# Altium PCB PIC18F_SUBSYSTEM_V1I1_PCB.PcbDoc (continued)
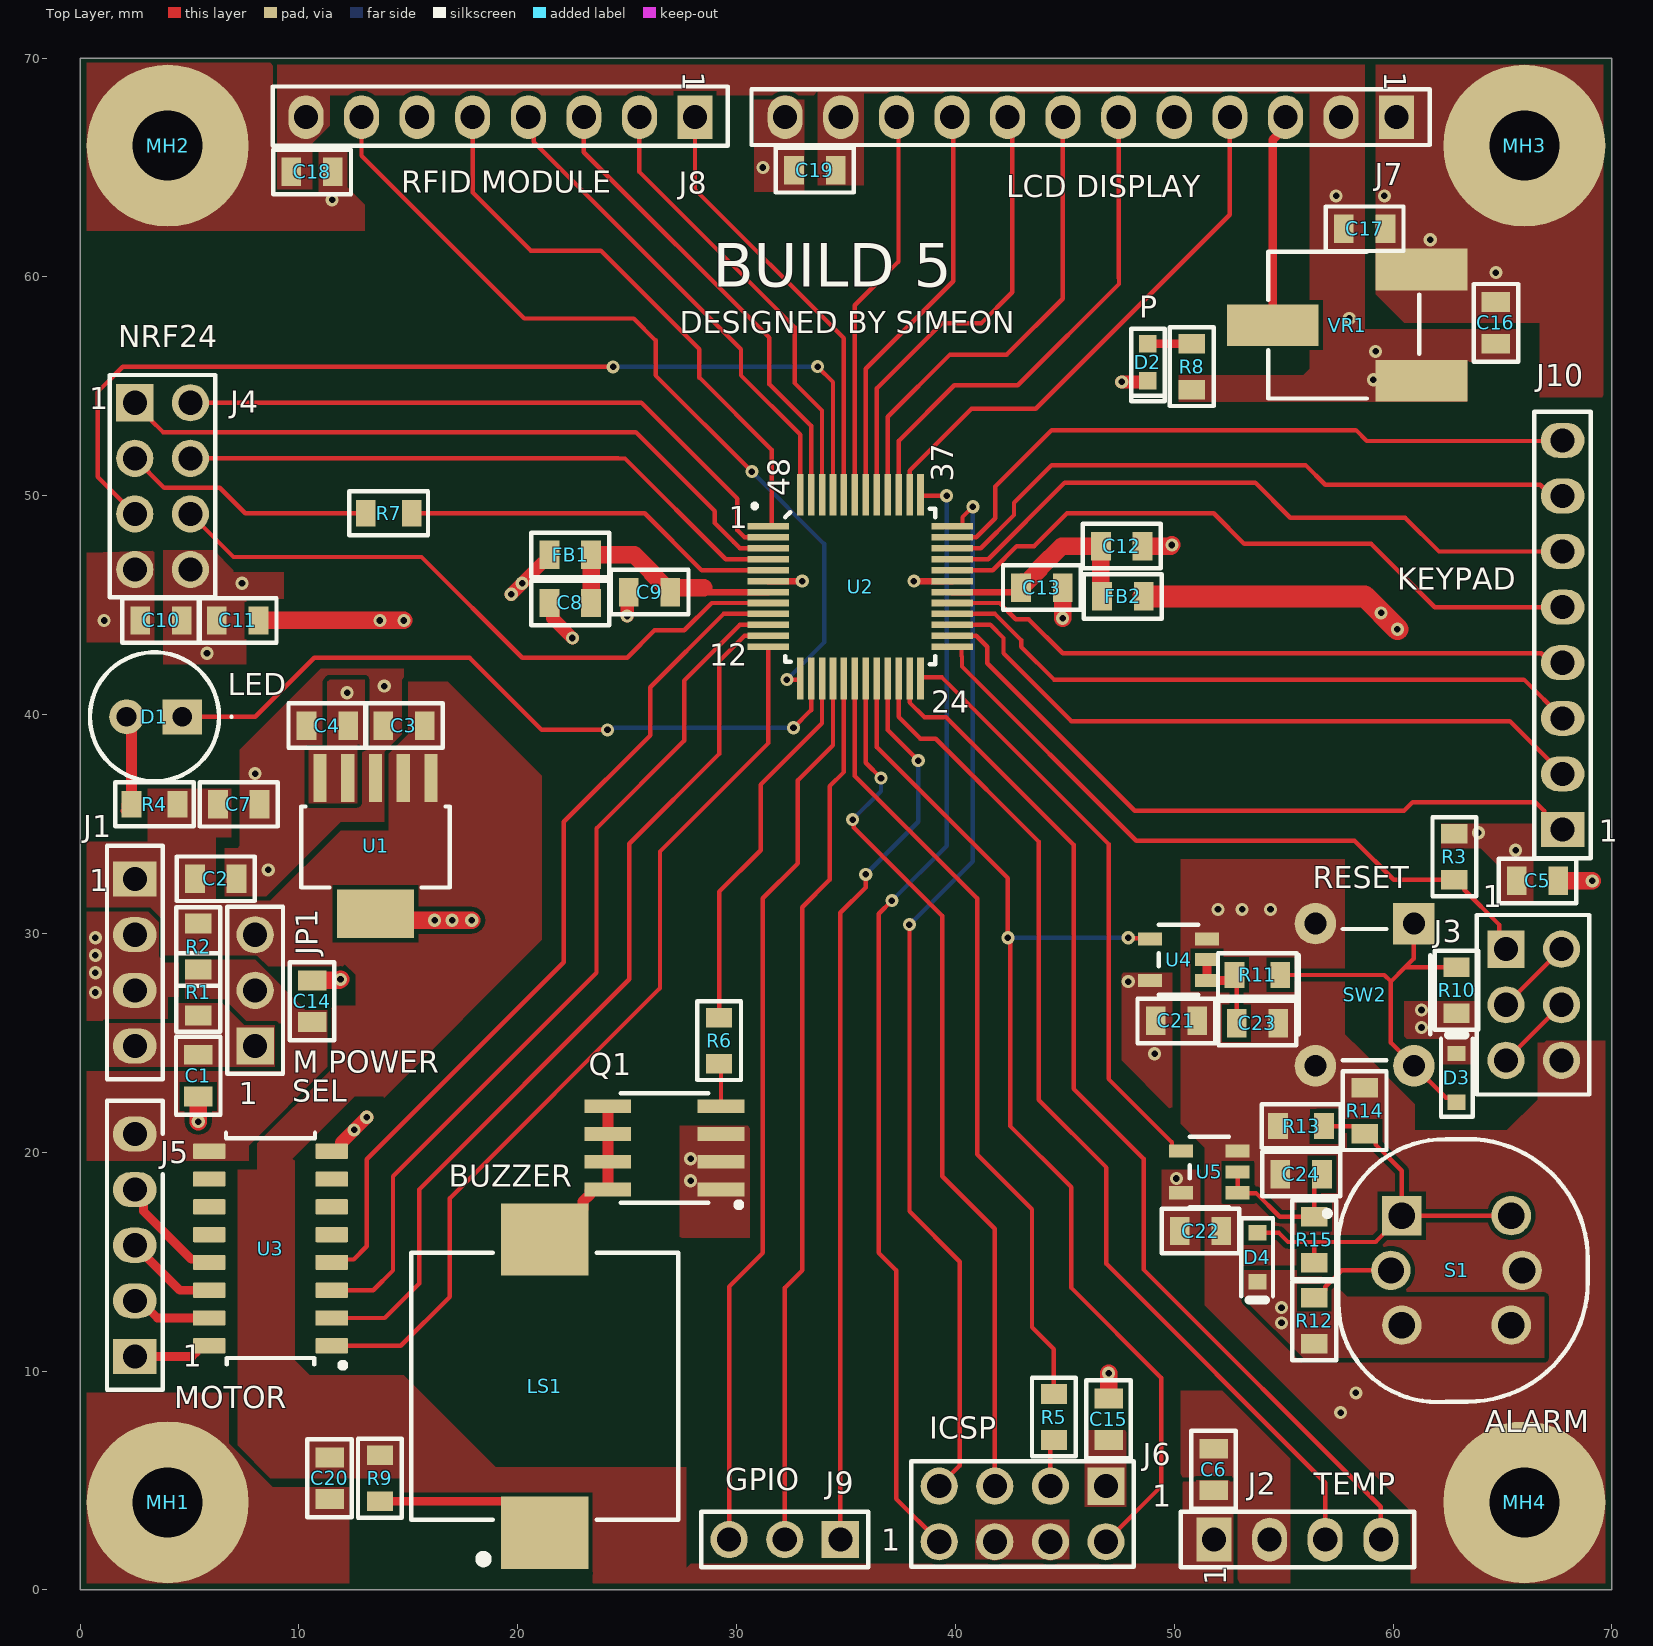
[diagram p0: Top Layer view]
## Part data (continued)
C8 C11 C12: library part C2012X5R1V106M125AC, "Ceramic Capacitor, Multilayer, Ceramic, 35V, 20% +Tol, 20% -Tol, X5R, 15% TC, 10uF, Surface Mount, 0805", Capacitor Type=Ceramic, Case/Package=0805, Manufacturer=TDK, Max Operating Temperature=85°C, Min Operating Temperature=-55°C, Package Shape=Rectangular, Package Style=SMTMeter, Rated DC Voltage (URdc)=35V, Supplier Part Number=445-14420-1-ND, Supplier Part Number 1=810-C2012X5R1V106M1C, Temperature Characteristics Code=X5R, Tolerance  (fill in as +-)=20%, Category="Ceramic Capacitors", ComponentLink1Description=https://datasheet.ciiva.com:443/pdfs/VipMasterIC/IC/TDKC/TDKC-S-A0008796792/TDKC-S-A0008796792-1.pdf?src-supplier=IHS+Markit, ComponentLink1URL=https://datasheet.ciiva.com:443/pdfs/VipMasterIC/IC/TDKC/TDKC-S-A0008796792/TDKC-S-A0008796792-1.pdf?src-supplier=IHS+Markit, ComponentLink2Description=https://datasheet.ciiva.com/14887/tdkmlcccaprange-14887484.pdf?src-supplier=Digikey, ComponentLink2URL=https://datasheet.ciiva.com/14887/tdkmlcccaprange-14887484.pdf?src-supplier=Digikey, ComponentLink3Description=https://datasheet.ciiva.com/14887/tdkmlcccaprange-14887483.pdf?src-supplier=Digikey, ComponentLink3URL=https://datasheet.ciiva.com/14887/tdkmlcccaprange-14887483.pdf?src-supplier=Digikey, ComponentLink4Description=https://datasheet.ciiva.com/14887/tdkmlcccaprange-14887485.pdf?src-supplier=Digikey, ComponentLink4URL=https://datasheet.ciiva.com/14887/tdkmlcccaprange-14887485.pdf?src-supplier=Digikey, Dielectric Material=Ceramic, Height=1.25mm, JESD-609 Code=e3, Length=2mm, Manufacturer Part Number=C2012X5R1V106M125AC, Mounting Technology="Surface Mount", Multilayer=Yes, Packaging="Tape and Reel", Pins=2, Pricing="1=0.71, 10=0.427, 50=0.3158, 100=0.2811, 500=0.22198, 1000=0.20353 (USD)", Reach SVHC Compliant=Yes, RoHS=Yes, RoHS Compliant=Yes, Stock=20704, Supplier=Digikey, Supplier 1=Mouser, Terminal Finish=Nickel, Termination=Wraparound, Tolerance (fill in as +-)=20%, Width=1.25mm
D1: "Single Color LED, White, Untinted Nondiffused, T-1 3/4, 5mm", Color=White, Forward Current=30mA, Forward Voltage=3.6V, Manufacturer="Vishay Semiconductors", Max Operating Temperature=100°C, Min Operating Temperature=-40°C, Reverse Voltage-Max=5V, Supplier Part Number=78-VLHW5100, Category=LEDs, Channels=1, Color@wavelength=White, ComponentLink1Description=https://datasheet.ciiva.com:443/pdfs/VipMasterIC/IC/VISH/VISH-S-A0008255939/VISH-S-A0008255939-1.pdf?src-supplier=IHS+Markit, ComponentLink1URL=https://datasheet.ciiva.com:443/pdfs/VipMasterIC/IC/VISH/VISH-S-A0008255939/VISH-S-A0008255939-1.pdf?src-supplier=IHS+Markit, ComponentLink2Description=http://www.mouser.com/ds/2/427/vlhw5100-531364.pdf?src-supplier=Mouser, ComponentLink2URL=http://www.mouser.com/ds/2/427/vlhw5100-531364.pdf?src-supplier=Mouser, ComponentLink3Description=http://components.arrow.com/part/dataview/47619092S462016N5680?src-supplier=Arrow+Electronics, ComponentLink3URL=http://components.arrow.com/part/dataview/47619092S462016N5680?src-supplier=Arrow+Electronics, ComponentLink4Description=https://datasheet.octopart.com/VLHW5100-Vishay-datasheet-33014518.pdf?src-supplier=Newark, ComponentLink4URL=https://datasheet.octopart.com/VLHW5100-Vishay-datasheet-33014518.pdf?src-supplier=Newark, ComponentLink5Description=https://datasheet.octopart.com/VLHW5100-Vishay-datasheet-13709148.pdf?src-supplier=Future+Electronics, ComponentLink5URL=https://datasheet.octopart.com/VLHW5100-Vishay-datasheet-13709148.pdf?src-supplier=Future+Electronics, ComponentLink6Description=https://www.vishay.com/docs/81159/vlhw5100.pdf?src-supplier=Digikey, ComponentLink6URL=https://www.vishay.com/docs/81159/vlhw5100.pdf?src-supplier=Digikey, ComponentLink7Description=http://www.vishay.com/docs/81159/vlhw5100.pdf?src-supplier=Avnet, ComponentLink7URL=http://www.vishay.com/docs/81159/vlhw5100.pdf?src-supplier=Avnet, ComponentLink8Description=https://datasheet.octopart.com/VLHW5100-Vishay-datasheet-101602381.pdf?src-supplier=Farnell, ComponentLink8URL=https://datasheet.octopart.com/VLHW5100-Vishay-datasheet-101602381.pdf?src-supplier=Farnell, ComponentLink9Description=https://datasheet.octopart.com/VLHW5100-Vishay-datasheet-159770063.pdf?src-supplier=TME, ComponentLink9URL=https://datasheet.octopart.com/VLHW5100-Vishay-datasheet-159770063.pdf?src-supplier=TME, Lens Style=Untinted,NONDIFFUSED, Luminous Intensity-Nom=8400mcd, Manufacturer Part Number=VLHW5100, Mounting Technology=Radial, Optoelectronic Device Type="SINGLE COLOR LED", Overall Height=8.6mm, Packaging=Bulk, Pins=2, Pricing="1=0.6, 10=0.363, 50=0.363, 100=0.21, 1000=0.153, 10000=0.127 (USD)", Reach SVHC Compliant=Yes, RoHS=Yes, RoHS Compliant=Yes, Shape=Round, Size=5mm, Stock=22314, Supplier=Mouser, Supplier 1=Mouser, Supplier Part Number 1=78-VLHW5100, T-code="T-1 3/4", Terminal Pitch=2.54mm, Viewing Angle=20°
D2: library part SML-D12P8WT86, "Single Color LED, Pure Green, Diffused Milky White, 1.2mm", Forward Current=20mA, Manufacturer=Rohm, Max Operating Temperature=85°C, Min Operating Temperature=-40°C, Reverse Voltage-Max=5V, Supplier Part Number=846-SML-D12P8WT86CT-ND, Category=LEDs, Channels=1, Color=Green, Color@wavelength=Green, ComponentLink1Description=https://datasheet.ciiva.com:443/pdfs/VipMasterIC/IC/ROHM/ROHMS10041/ROHMS10041-1.pdf?src-supplier=IHS+Markit, ComponentLink1URL=https://datasheet.ciiva.com:443/pdfs/VipMasterIC/IC/ROHM/ROHMS10041/ROHMS10041-1.pdf?src-supplier=IHS+Markit, ComponentLink2Description=https://datasheet.ciiva.com/2110/sml-d1-2110417.pdf?src-supplier=Digikey, ComponentLink2URL=https://datasheet.ciiva.com/2110/sml-d1-2110417.pdf?src-supplier=Digikey, ComponentLink3Description=https://datasheet.ciiva.com/16488/rohm20sml-d12p8wt86-16488100.pdf?src-supplier=Future+Electronics, ComponentLink3URL=https://datasheet.ciiva.com/16488/rohm20sml-d12p8wt86-16488100.pdf?src-supplier=Future+Electronics, ComponentLink4Description=https://datasheet.ciiva.com/2110/sml-d1-2110419.pdf?src-supplier=Digikey, ComponentLink4URL=https://datasheet.ciiva.com/2110/sml-d1-2110419.pdf?src-supplier=Digikey, ComponentLink5Description=https://datasheet.ciiva.com/2110/sml-d1-2110418.pdf?src-supplier=Digikey, ComponentLink5URL=https://datasheet.ciiva.com/2110/sml-d1-2110418.pdf?src-supplier=Digikey, ComponentLink6Description=https://datasheet.ciiva.com/3161/sml-d1-3161420.pdf?src-supplier=Avnet, ComponentLink6URL=https://datasheet.ciiva.com/3161/sml-d1-3161420.pdf?src-supplier=Avnet, JESD-609 Code=e4, Lens Style=Diffused, Luminous Intensity-Nom=6.3mcd, Manufacturer Part Number=SML-D12P8WT86, Mounting Technology="Surface Mount", Optoelectronic Device Type="SINGLE COLOR LED", Overall Height=0.55mm, Packaging="Tape and Reel", Pins=2, Pricing="1=0.21, 10=0.115, 100=0.0686, 500=0.05056, 1000=0.04505 (USD)", Reach SVHC Compliant=Yes, RoHS=Yes, RoHS Compliant=Yes, Shape=Rectangular, Size=1.2mm, Stock=50341, Supplier=Digikey, Supplier 1=Digikey, Supplier Part Number 1=846-SML-D12P8WT86CT-ND, Terminal Finish=Gold, Terminal Pitch=1.65mm
D3 D4: "Rectifier Diode, 1 Phase, 1 Element, 0.2A, 30V V(RRM), Silicon", Forward Voltage=240mV, Manufacturer="ON Semiconductor / Fairchild", Max Operating Temperature=150°C, Max Output current=200mA, Max Power Dissipation=200mW, Min Operating Temperature=-55°C, Non-rep Pk Forward Current-Max=600mA, Package Body Material=Plastic, Package Shape=Rectangular, Package Style="SMALL OUTLINEMeter", Rep Pk Reverse Voltage-Max=30V, Supplier Part Number=BAT54HT1GOSCT-ND, Category="Schottky Diodes", ComponentLink1Description=https://datasheet.ciiva.com:443/pdfs/VipMasterIC/IC/FAIR/FAIRS45107/FAIRS45107-1.pdf?src-supplier=IHS+Markit, ComponentLink1URL=https://datasheet.ciiva.com:443/pdfs/VipMasterIC/IC/FAIR/FAIRS45107/FAIRS45107-1.pdf?src-supplier=IHS+Markit, ComponentLink2Description=https://datasheet.ciiva.com/4714/bat54ht1-d-72881-4714706.pdf?src-supplier=Mouser, ComponentLink2URL=https://datasheet.ciiva.com/4714/bat54ht1-d-72881-4714706.pdf?src-supplier=Mouser, ComponentLink3Description=https://datasheet.ciiva.com/4452/bat54ht1g-104602-4452889.pdf?src-supplier=Mouser, ComponentLink3URL=https://datasheet.ciiva.com/4452/bat54ht1g-104602-4452889.pdf?src-supplier=Mouser, ComponentLink4Description=https://datasheet.ciiva.com/30479/0900766b811a63a9-30479442.pdf?src-supplier=Rs, ComponentLink4URL=https://datasheet.ciiva.com/30479/0900766b811a63a9-30479442.pdf?src-supplier=Rs, ComponentLink5Description=https://datasheet.ciiva.com/34301/806549-34301562.pdf?src-supplier=Jameco, ComponentLink5URL=https://datasheet.ciiva.com/34301/806549-34301562.pdf?src-supplier=Jameco, ComponentLink6Description=https://datasheet.ciiva.com/1240/1747983-1240762.pdf?src-supplier=Newark, ComponentLink6URL=https://datasheet.ciiva.com/1240/1747983-1240762.pdf?src-supplier=Newark, ComponentLink7Description=https://datasheet.ciiva.com/915/bat54ht1-d-915445.pdf?src-supplier=Digikey, ComponentLink7URL=https://datasheet.ciiva.com/915/bat54ht1-d-915445.pdf?src-supplier=Digikey, ComponentLink8Description=https://datasheet.ciiva.com/915/bat54ht1-d-915444.pdf?src-supplier=Digikey, ComponentLink8URL=https://datasheet.ciiva.com/915/bat54ht1-d-915444.pdf?src-supplier=Digikey, ComponentLink9Description=https://datasheet.ciiva.com/910/bat54ht1g-910499.pdf?src-supplier=Digikey, ComponentLink9URL=https://datasheet.ciiva.com/910/bat54ht1g-910499.pdf?src-supplier=Digikey, ComponentLink10Description=https://datasheet.ciiva.com/910/bat54ht1g-910498.pdf?src-supplier=Digikey, ComponentLink10URL=https://datasheet.ciiva.com/910/bat54ht1g-910498.pdf?src-supplier=Digikey, ComponentLink11Description=https://datasheet.ciiva.com/8294/bat54ht1-d-8294645.pdf?src-supplier=Avnet, ComponentLink11URL=https://datasheet.ciiva.com/8294/bat54ht1-d-8294645.pdf?src-supplier=Avnet, ComponentLink12Description=https://datasheet.ciiva.com/910/bat54ht1g-910497.pdf?src-supplier=Digikey, ComponentLink12URL=https://datasheet.ciiva.com/910/bat54ht1g-910497.pdf?src-supplier=Digikey, ComponentLink13Description=https://datasheet.ciiva.com/8303/bat54ht1g-8303645.pdf?src-supplier=Avnet, ComponentLink13URL=https://datasheet.ciiva.com/8303/bat54ht1g-8303645.pdf?src-supplier=Avnet, ComponentLink14Description=https://datasheet.ciiva.com/915/bat54ht1-d-915443.pdf?src-supplier=Digikey, ComponentLink14URL=https://datasheet.ciiva.com/915/bat54ht1-d-915443.pdf?src-supplier=Digikey, ComponentLink15Description=https://datasheet.ciiva.com/46429/1727620-46429206.pdf?src-supplier=Element14, ComponentLink15URL=https://datasheet.ciiva.com/46429/1727620-46429206.pdf?src-supplier=Element14, ComponentLink16Description=https://datasheet.ciiva.com/1180/bat54ht1-d-1180252.pdf?src-supplier=Element14, ComponentLink16URL=https://datasheet.ciiva.com/1180/bat54ht1-d-1180252.pdf?src-supplier=Element14, ComponentLink17Description=https://datasheet.ciiva.com/1180/bat54ht1-d-1180251.pdf?src-supplier=Element14, ComponentLink17URL=https://datasheet.ciiva.com/1180/bat54ht1-d-1180251.pdf?src-supplier=Element14, ComponentLink18Description=https://datasheet.ciiva.com/17020/bat54ht1g-17020445.pdf?src-supplier=Future+Electronics, ComponentLink18URL=https://datasheet.ciiva.com/17020/bat54ht1g-17020445.pdf?src-supplier=Future+Electronics, ComponentLink19Description=https://datasheet.ciiva.com/48686/001262925-da-01-en-diode-schottky-30v-bat54ht1g-sod-323-fsc-48686266.pdf?src-supplier=Conrad, ComponentLink19URL=https://datasheet.ciiva.com/48686/001262925-da-01-en-diode-schottky-30v-bat54ht1g-sod-323-fsc-48686266.pdf?src-supplier=Conrad, Diode Element Material=SILICON, Diode Type=RECTIFIER, JESD-30 Code=R-PDSO-G2, JESD-609 Code=e3, Manufacturer Part Number=BAT54HT1G, Moisture Sensitivity Level=1, Number of Elements=1, Pins=2, Pricing="1=0.12, 10=0.085, 100=0.0569, 500=0.04318, 1000=0.03851 (USD)", Qualification Status="Not Qualified", Reach SVHC Compliant=Yes, Reverse Recovery Time-Max=0.005us, RoHS=Yes, RoHS Compliant=Yes, Stock=217359, Supplier=Digikey, Supplier 1=Digikey, Supplier Part Number 1=BAT54HT1GOSCT-ND, Surface Mount=Yes, Terminal Finish=Tin, Terminal Form="Gull Wing", Terminal Position=DUAL
FB1 FB2: "Ferrite Chip, 1 Function(s), 2A", Case Code=0805, Clock Frequency=100MHz, Current Rating=2A, DC Resistance-Max=100mR, Manufacturer=TDK, Max Operating Temperature=125°C, Min Operating Temperature=-55°C, Supplier Part Number=445-MPZ2012S601AT000CT-ND, Supplier Part Number 1=810-MPZ2012S601AT000, Category="Ferrite Beads and Chips", Channels=1, ComponentLink1Description=https://datasheet.ciiva.com:443/pdfs/VipMasterIC/IC/TDKC/TDKC-S-A0008032886/TDKC-S-A0008032886-1.pdf?src-supplier=IHS+Markit, ComponentLink1URL=https://datasheet.ciiva.com:443/pdfs/VipMasterIC/IC/TDKC/TDKC-S-A0008032886/TDKC-S-A0008032886-1.pdf?src-supplier=IHS+Markit, ComponentLink2Description=https://datasheet.ciiva.com/46634/beads-commercial-power-mpz-en-46634335.pdf?src-supplier=Digikey, ComponentLink2URL=https://datasheet.ciiva.com/46634/beads-commercial-power-mpz-en-46634335.pdf?src-supplier=Digikey, ComponentLink3Description=https://datasheet.ciiva.com/46634/beads-commercial-power-mpz-en-46634377.pdf?src-supplier=Digikey, ComponentLink3URL=https://datasheet.ciiva.com/46634/beads-commercial-power-mpz-en-46634377.pdf?src-supplier=Digikey, ComponentLink4Description=https://datasheet.ciiva.com/46634/beads-commercial-power-mpz-en-46634606.pdf?src-supplier=Digikey, ComponentLink4URL=https://datasheet.ciiva.com/46634/beads-commercial-power-mpz-en-46634606.pdf?src-supplier=Digikey, Construction="Chip Bead", Filter Type="FERRITE CHIP", Height=0.85mm, JESD-609 Code=e2, Length=2mm, Manufacturer Part Number=MPZ2012S601AT000, Material=Ferrite, Min Frequency=100MHz, Mounting Technology="Surface Mount", Output Impedance=600R, Packaging="Tape and Reel", Pricing="1=0.11, 10=0.077, 25=0.0664, 50=0.0594, 100=0.0532, 250=0.0458, 500=0.0407, 1000=0.03605 (USD)", Reach SVHC Compliant=Yes, RoHS=Yes, RoHS Compliant=Yes, Stock=125666, Supplier=Digikey, Supplier 1=Mouser, Terminal Finish=Copper, Width=1.25mm
J1 J2: library part M20-7820442, "Board Connector, 4 Contact(s), 1 Row(s), Female, Straight, 0.1 inch Pitch, Solder Terminal, Locking, Black Insulator, Socket", Contact Resistance=20mR, Dielectric Withstanding Voltage (AC)=1kV, Flammability Rating="UL94 V-0", Insulation Color=Black, Insulation Resistance=1GR, Manufacturer=Harwin, Max Operating Temperature=105°C, Min Operating Temperature=-40°C, Rated Current (Signal)=3A, Supplier Part Number=855-M20-7820442, Body Breadth=0.098inch, Body Depth=0.335inch, Body Length=0.4inch, Body/Shell Style=SOCKET, Category="Headers and Wire Housings", ComponentLink1Description=https://datasheet.ciiva.com:443/pdfs/VipMasterIC/IC/HRWN/HRWN-S-A0004894635/HRWN-S-A0004894635-1.pdf?src-supplier=IHS+Markit, ComponentLink1URL=https://datasheet.ciiva.com:443/pdfs/VipMasterIC/IC/HRWN/HRWN-S-A0004894635/HRWN-S-A0004894635-1.pdf?src-supplier=IHS+Markit, ComponentLink2Description=http://www.mouser.com/ds/2/181/Harwin_Product_Catalog_page_197-1134272.pdf?src-supplier=Mouser, ComponentLink2URL=http://www.mouser.com/ds/2/181/Harwin_Product_Catalog_page_197-1134272.pdf?src-supplier=Mouser, ComponentLink3Description=http://www.harwin.com/include/downloads/pdfs/2010PAGE120.PDF?src-supplier=Avnet, ComponentLink3URL=http://www.harwin.com/include/downloads/pdfs/2010PAGE120.PDF?src-supplier=Avnet, ComponentLink4Description=https://cdn.harwin.com/pdfs/Harwin_PC_Connectors_M20.pdf?src-supplier=Digikey, ComponentLink4URL=https://cdn.harwin.com/pdfs/Harwin_PC_Connectors_M20.pdf?src-supplier=Digikey, Connector Type="BOARD CONNECTOR", Contact Finish - Mating=GOLD, Contact Finish - Termination="Tin (Sn) - with Nickel (Ni) barrier", Contact Gender=Female, Contact Pattern=RECTANGULAR, Contact Style="SQ PIN-SKT", DIN Conformance=No, Durability=300Cycles, Filter Feature=No, IEC Conformance=No, Insulation Material=Polyamide, JESD-609 Code=e3, Manufacturer Part Number=M20-7820442, Mating Contact Pitch=0.1inch, MIL Conformance=No, Mixed Contacts=No, Mounting Option 1=LOCKING, Mounting Style=STRAIGHT, Mounting Technology=Board, Number Of Connectors=1, Number of Contacts=4, Number Of PCB Rows=1, Number of Rows Loaded=1, Option="General Purpose", PCB Contact Pattern=RECTANGULAR, Polarization Key="POLARIZED HOUSING", Pricing="1=1.19, 10=0.794, 50=0.794, 100=0.794, 1000=0.616, 10000=0.491 (USD)", Reach SVHC Compliant=Yes, Reference Standard=UL, Reliability=COMMERCIAL, RoHS=Yes, RoHS Compliant=Yes, Stock=2160, Supplier=Mouser, Supplier 1=Mouser, Supplier Part Number 1=855-M20-7820442, Terminal Length=0.118inch, Terminal Pitch=2.54mm, Termination=Solder
J3: library part M20-7830342, "Board Connector, 6 Contact(s), 2 Row(s), Female, Straight, 0.1 inch Pitch, Solder Terminal, Locking, Black Insulator, Socket", Contact Resistance=20mR, Flammability Rating="UL94 V-0", Insulation Color=Black, Insulation Resistance=1GR, Manufacturer=Harwin, Max Operating Temperature=105°C, Min Operating Temperature=-40°C, Rated Current (Signal)=3A, Supplier Part Number=855-M20-7830342, Body Breadth=0.198inch, Body Depth=0.335inch, Body Length=0.316inch, Body/Shell Style=SOCKET, Category="Headers and Wire Housings", ComponentLink1Description=https://datasheet.ciiva.com:443/pdfs/VipMasterIC/IC/HRWN/HRWN-S-A0004894635/HRWN-S-A0004894635-1.pdf?src-supplier=IHS+Markit, ComponentLink1URL=https://datasheet.ciiva.com:443/pdfs/VipMasterIC/IC/HRWN/HRWN-S-A0004894635/HRWN-S-A0004894635-1.pdf?src-supplier=IHS+Markit, ComponentLink2Description=https://datasheet.ciiva.com/6800/m20-783-6800556.pdf?src-supplier=Digikey, ComponentLink2URL=https://datasheet.ciiva.com/6800/m20-783-6800556.pdf?src-supplier=Digikey, Connector Type="BOARD CONNECTOR", Contact Finish - Mating=GOLD, Contact Finish - Termination=TIN, Contact Gender=Female, Contact Material=Bronze, Contact Pattern=RECTANGULAR, Contact Style="SQ PIN-SKT", DIN Conformance=No, Filter Feature=No, IEC Conformance=No, Insulation Material=Polyamide, JESD-609 Code=e3, Manufacturer Part Number=M20-7830342, Mating Contact Pitch=0.1inch, Mating Contact Row Spacing=0.1inch, MIL Conformance=No, Mixed Contacts=No, Mounting Option 1=LOCKING, Mounting Style=STRAIGHT, Mounting Technology=Board, Number Of Connectors=1, Number of Contacts=6, Number Of PCB Rows=2, Number of Rows Loaded=2, Option="General Purpose", PCB Contact Pattern=STAGGERED, PCB Contact Row Spacing=2.54mm, Polarization Key="POLARIZED HOUSING", Pricing="1=1.64, 10=1.63, 50=1.63, 100=1, 1000=0.874, 10000=0.697 (USD)", Reach SVHC Compliant=Yes, Reference Standard=UL, Reliability=COMMERCIAL, RoHS=Yes, RoHS Compliant=Yes, Supplier=Mouser, Supplier 1=Mouser, Supplier Part Number 1=855-M20-7830342, Terminal Length=0.118inch, Terminal Pitch=2.54mm, Termination=Solder
J4 J6: library part 10129381-908001BLF, "Conn Unshrouded Header HDR 8 POS 2.54mm Solder ST Thru-Hole Poly Bag", Manufacturer="Amphenol ICC / FCI", Supplier Part Number=649-1012938190801BLF, Category=Connectors, Manufacturer Part Number=10129381-908001BLF, Pricing="1=0.23, 10=0.172, 50=0.172, 100=0.131, 1000=0.101, 10000=0.076 (USD)", RoHS=No, Stock=4941, Supplier=Mouser, Supplier 1=Mouser, Supplier Part Number 1=649-1012938190801BLF
J5: library part M20-7820542, "Board Connector, 5 Contact(s), 1 Row(s), Female, Straight, 0.1 inch Pitch, Solder Terminal, Locking, Black Insulator, Socket", Contact Resistance=20mR, Dielectric Withstanding Voltage (AC)=1kV, Flammability Rating="UL94 V-0", Insulation Color=Black, Insulation Resistance=1GR, Manufacturer=Harwin, Max Operating Temperature=105°C, Min Operating Temperature=-40°C, Rated Current (Signal)=3A, Supplier Part Number=855-M20-7820542, Body Breadth=0.098inch, Body Depth=0.335inch, Body Length=0.5inch, Body/Shell Style=SOCKET, Category="Headers and Wire Housings", ComponentLink1Description=https://datasheet.ciiva.com:443/pdfs/VipMasterIC/IC/HRWN/HRWN-S-A0004894635/HRWN-S-A0004894635-1.pdf?src-supplier=IHS+Markit, ComponentLink1URL=https://datasheet.ciiva.com:443/pdfs/VipMasterIC/IC/HRWN/HRWN-S-A0004894635/HRWN-S-A0004894635-1.pdf?src-supplier=IHS+Markit, ComponentLink2Description=https://datasheet.ciiva.com/6785/m20-782-6785372.pdf?src-supplier=Digikey, ComponentLink2URL=https://datasheet.ciiva.com/6785/m20-782-6785372.pdf?src-supplier=Digikey, Connector Type="BOARD CONNECTOR", Contact Finish - Mating=GOLD, Contact Finish - Termination="Tin (Sn) - with Nickel (Ni) barrier", Contact Gender=Female, Contact Pattern=RECTANGULAR, Contact Style="SQ PIN-SKT", DIN Conformance=No, Durability=300Cycles, Filter Feature=No, IEC Conformance=No, Insulation Material=Polyamide, JESD-609 Code=e3, Manufacturer Part Number=M20-7820542, Mating Contact Pitch=0.1inch, MIL Conformance=No, Mixed Contacts=No, Mounting Option 1=LOCKING, Mounting Style=STRAIGHT, Mounting Technology=Board, Number Of Connectors=1, Number of Contacts=5, Number Of PCB Rows=1, Number of Rows Loaded=1, Option="General Purpose", PCB Contact Pattern=RECTANGULAR, Polarization Key="POLARIZED HOUSING", Pricing="1=1.07, 10=0.701, 50=0.701, 100=0.612, 1000=0.54, 10000=0.496 (USD)", Reach SVHC Compliant=Yes, Reference Standard=UL, Reliability=COMMERCIAL, RoHS=Yes, RoHS Compliant=Yes, Stock=1002, Supplier=Mouser, Terminal Length=0.118inch, Terminal Pitch=2.54mm, Termination=Solder
J7: library part M20-7821242, "Board Connector, 12 Contact(s), 1 Row(s), Female, Straight, 0.1 inch Pitch, Solder Terminal, Locking, Black Insulator, Socket", Contact Resistance=20mR, Dielectric Withstanding Voltage (AC)=1kV, Flammability Rating="UL94 V-0", Insulation Color=Black, Insulation Resistance=1GR, Manufacturer=Harwin, Max Operating Temperature=105°C, Min Operating Temperature=-40°C, Rated Current (Signal)=3A, Supplier Part Number=855-M20-7821242, Body Breadth=0.098inch, Body Depth=0.335inch, Body Length=1.2inch, Body/Shell Style=SOCKET, Category="Headers and Wire Housings", ComponentLink1Description=https://datasheet.ciiva.com:443/pdfs/VipMasterIC/IC/HRWN/HRWN-S-A0004894635/HRWN-S-A0004894635-1.pdf?src-supplier=IHS+Markit, ComponentLink1URL=https://datasheet.ciiva.com:443/pdfs/VipMasterIC/IC/HRWN/HRWN-S-A0004894635/HRWN-S-A0004894635-1.pdf?src-supplier=IHS+Markit, ComponentLink2Description=http://www.mouser.com/ds/2/181/Harwin_Product_Catalog_page_197-1134272.pdf?src-supplier=Mouser, ComponentLink2URL=http://www.mouser.com/ds/2/181/Harwin_Product_Catalog_page_197-1134272.pdf?src-supplier=Mouser, ComponentLink3Description=http://www.harwin.com/include/downloads/drawings/M20-782.PDF?src-supplier=Avnet, ComponentLink3URL=http://www.harwin.com/include/downloads/drawings/M20-782.PDF?src-supplier=Avnet, ComponentLink4Description=https://cdn.harwin.com/pdfs/Harwin_Product_Catalog_page_197.pdf?src-supplier=Digikey, ComponentLink4URL=https://cdn.harwin.com/pdfs/Harwin_Product_Catalog_page_197.pdf?src-supplier=Digikey, Connector Type="BOARD CONNECTOR", Contact Finish - Mating=GOLD, Contact Finish - Termination=TIN, Contact Gender=Female, Contact Pattern=RECTANGULAR, Contact Style="SQ PIN-SKT", DIN Conformance=No, Durability=300Cycles, Filter Feature=No, IEC Conformance=No, Insulation Material=Polyamide, JESD-609 Code=e3, Manufacturer Part Number=M20-7821242, Mating Contact Pitch=0.1inch, MIL Conformance=No, Mixed Contacts=No, Mounting Option 1=LOCKING, Mounting Style=STRAIGHT, Mounting Technology=Board, Number Of Connectors=1, Number of Contacts=12, Number Of PCB Rows=1, Number of Rows Loaded=1, Option="General Purpose", PCB Contact Pattern=RECTANGULAR, Polarization Key="POLARIZED HOUSING", Pricing="1=1.87, 10=1.36, 50=1.36, 100=1.36, 1000=1.03, 10000=0.9 (USD)", Reach SVHC Compliant=Yes, Reference Standard=UL, Reliability=COMMERCIAL, RoHS=Yes, RoHS Compliant=Yes, Stock=1101, Supplier=Mouser, Supplier 1=Mouser, Supplier Part Number 1=855-M20-7821242, Terminal Length=0.118inch, Terminal Pitch=2.54mm, Termination=Solder
J8: library part M20-7820842, "Board Connector, 8 Contact(s), 1 Row(s), Female, Straight, 0.1 inch Pitch, Solder Terminal, Locking, Black Insulator, Socket", Contact Resistance=20mR, Dielectric Withstanding Voltage (AC)=1kV, Flammability Rating="UL94 V-0", Insulation Color=Black, Insulation Resistance=1GR, Manufacturer=Harwin, Max Operating Temperature=105°C, Min Operating Temperature=-40°C, Rated Current (Signal)=3A, Supplier Part Number=855-M20-7820842, Body Breadth=0.098inch, Body Depth=0.335inch, Body Length=0.8inch, Body/Shell Style=SOCKET, Category="Headers and Wire Housings", ComponentLink1Description=https://datasheet.ciiva.com:443/pdfs/VipMasterIC/IC/HRWN/HRWN-S-A0004894635/HRWN-S-A0004894635-1.pdf?src-supplier=IHS+Markit, ComponentLink1URL=https://datasheet.ciiva.com:443/pdfs/VipMasterIC/IC/HRWN/HRWN-S-A0004894635/HRWN-S-A0004894635-1.pdf?src-supplier=IHS+Markit, ComponentLink2Description=https://datasheet.ciiva.com/9480/m20-782-9480074.pdf?src-supplier=Avnet, ComponentLink2URL=https://datasheet.ciiva.com/9480/m20-782-9480074.pdf?src-supplier=Avnet, Connector Type="BOARD CONNECTOR", Contact Finish - Mating=GOLD, Contact Finish - Termination="Tin (Sn) - with Nickel (Ni) barrier", Contact Gender=Female, Contact Pattern=RECTANGULAR, Contact Style="SQ PIN-SKT", DIN Conformance=No, Durability=300Cycles, Filter Feature=No, IEC Conformance=No, Insulation Material=Polyamide, JESD-609 Code=e3, Manufacturer Part Number=M20-7820842, Mating Contact Pitch=0.1inch, MIL Conformance=No, Mixed Contacts=No, Mounting Option 1=LOCKING, Mounting Style=STRAIGHT, Mounting Technology=Board, Number Of Connectors=1, Number of Contacts=8, Number Of PCB Rows=1, Number of Rows Loaded=1, Option="General Purpose", PCB Contact Pattern=RECTANGULAR, Polarization Key="POLARIZED HOUSING", Pricing="1=1.55, 10=1.07, 50=1.07, 100=1.07, 1000=0.823, 10000=0.655 (USD)", Reach SVHC Compliant=Yes, Reference Standard=UL, Reliability=COMMERCIAL, RoHS=Yes, RoHS Compliant=Yes, Stock=1924, Supplier=Mouser, Supplier 1=Mouser, Supplier Part Number 1=855-M20-7820842, Terminal Length=0.118inch, Terminal Pitch=2.54mm, Termination=Solder